# Altium PCB VESC_DEVICE_75100.PcbDoc (part 2 of 3)
Units mm, origin at the board's own origin, x right, y up, seen from the top; angles counter-clockwise.
Board outline 72 x 52 mm, 4 copper layers (TOP, LAYER_1, LAYER_2, BOTTOM), stack 1.578 mm thick; 217 components, 137 nets, 680 pads, 885 vias.
Unrouted connection lines stored in the file: 1.
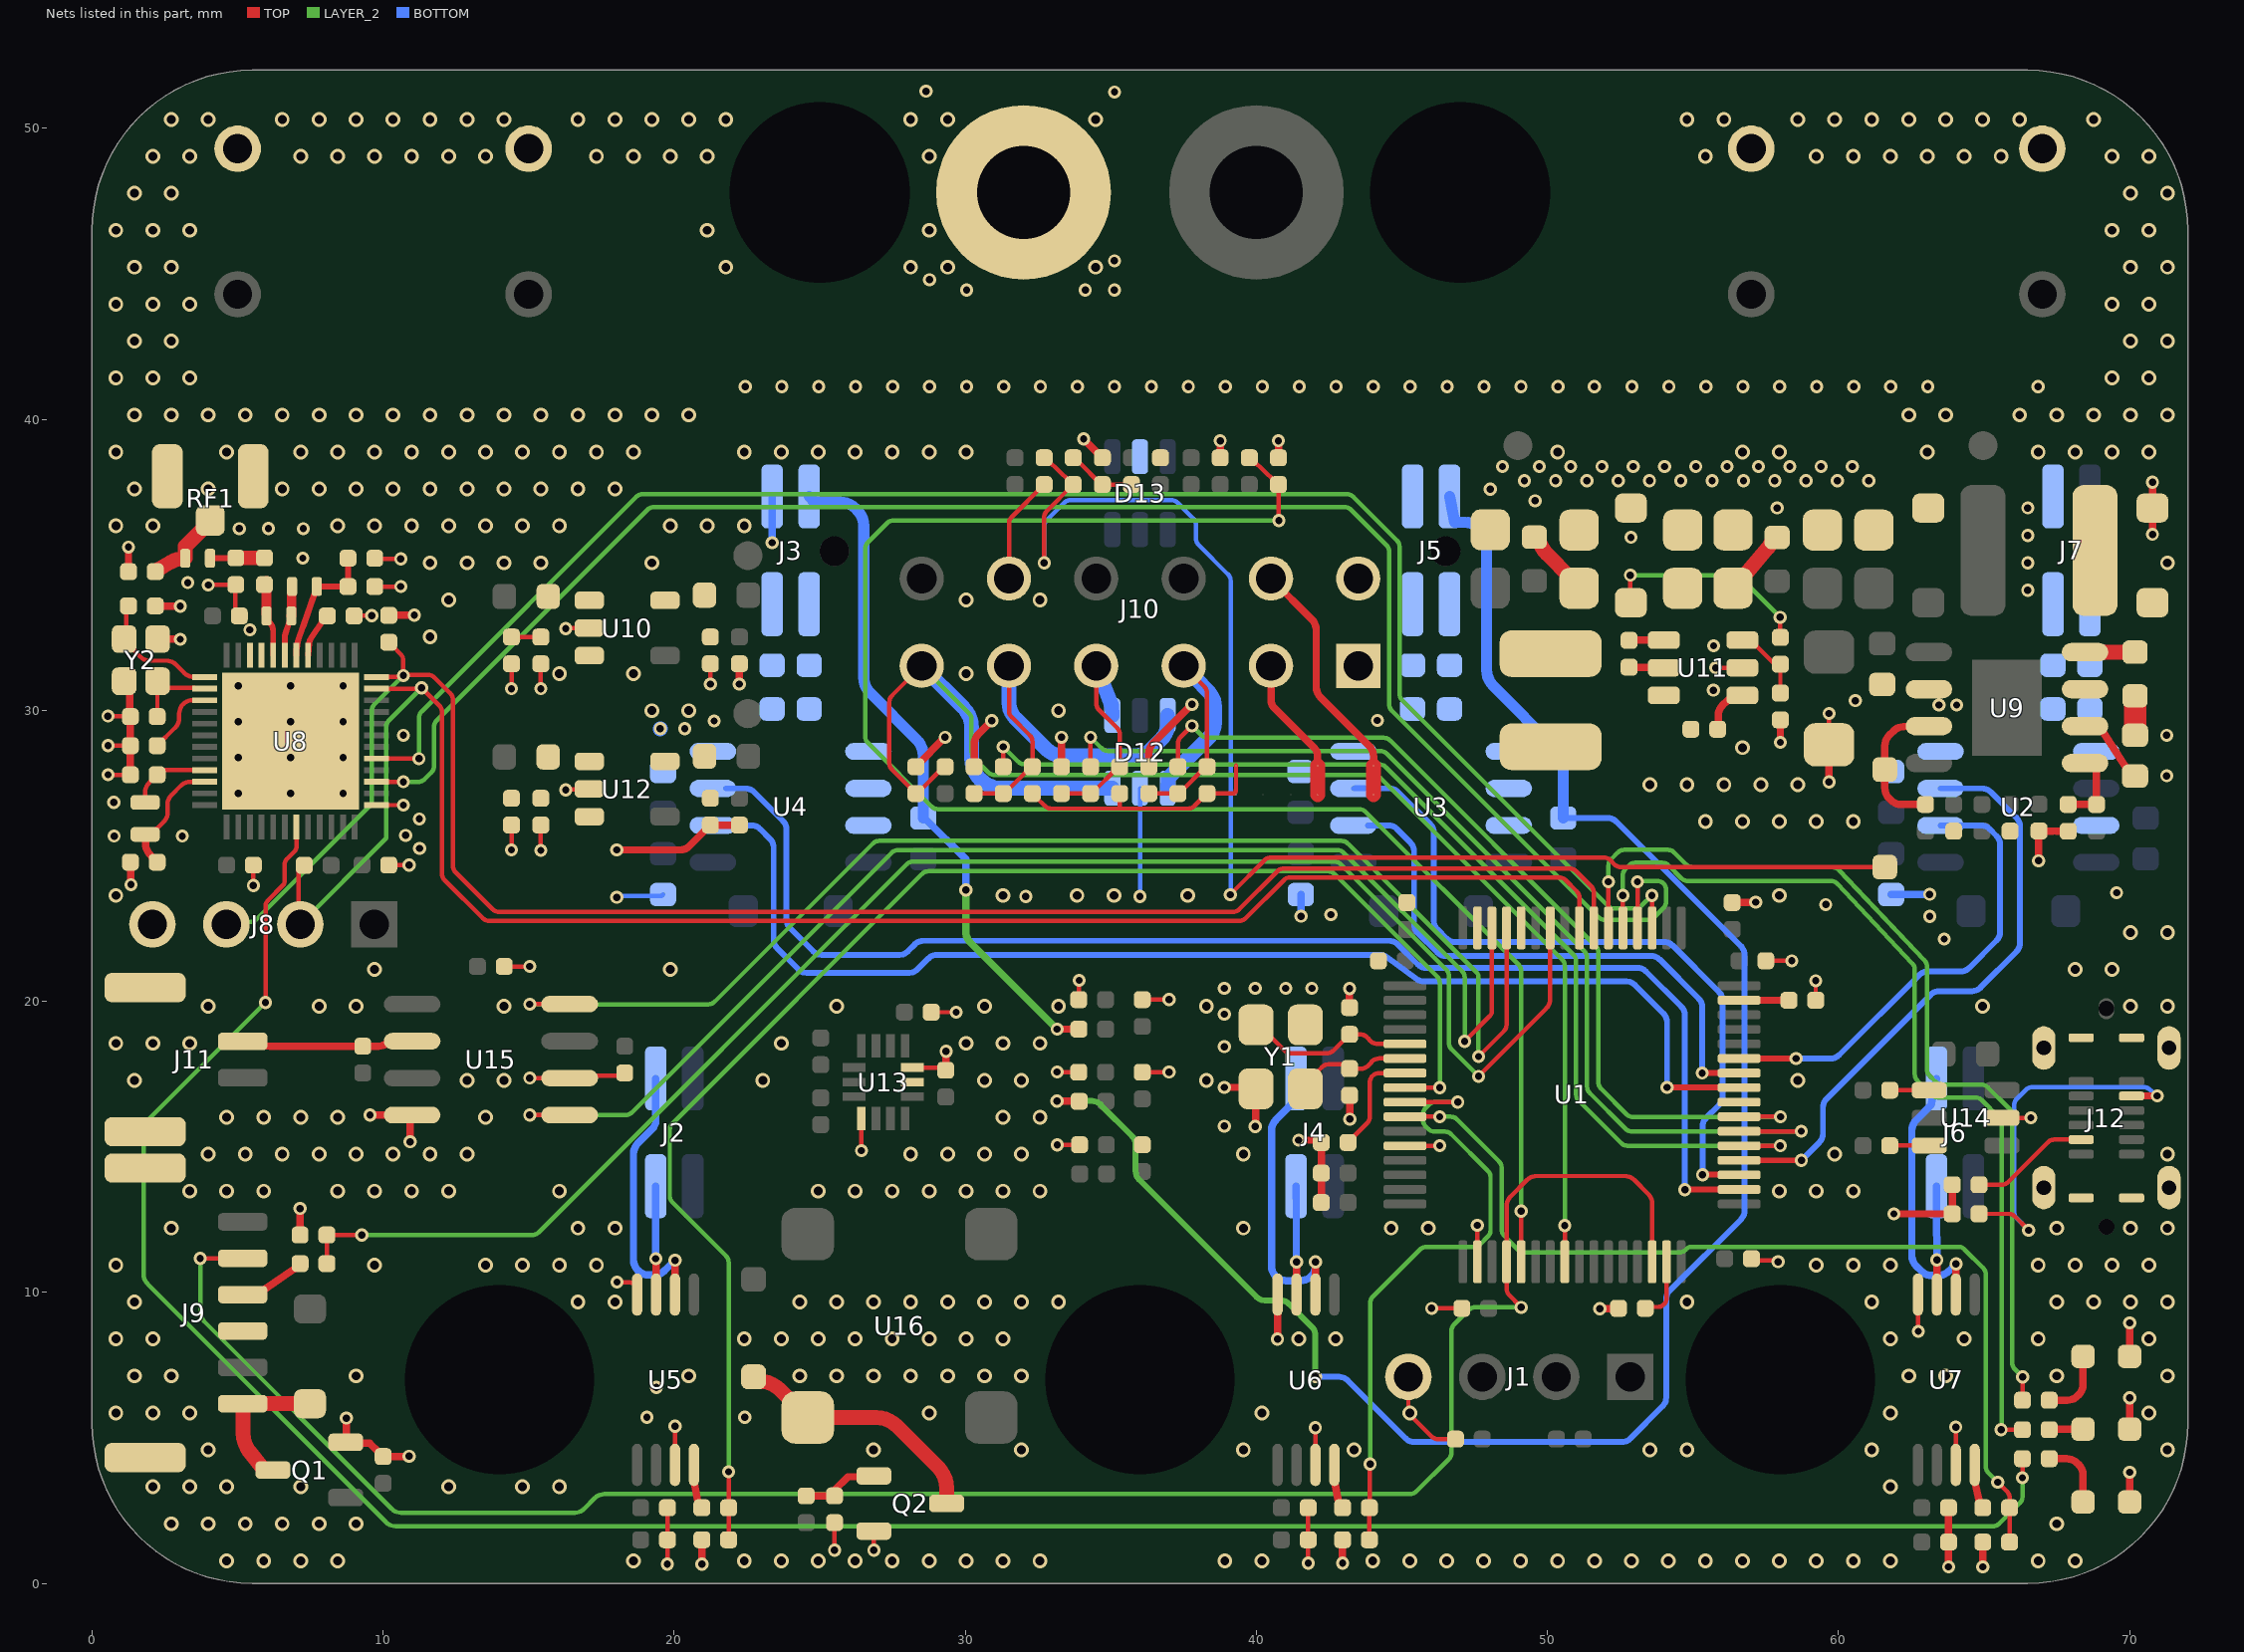
[diagram p4: the nets of this part, all layers, seen from the top]

## Via types
v1: diameter 0.508, hole 0.305, TOP to BOTTOM, tented both sides, 556 vias
v2: diameter 0.45, hole 0.25, TOP to BOTTOM, tented both sides, 325 vias
v3: diameter 0.65, hole 0.45, TOP to BOTTOM, tented both sides, 4 vias

## Nets (pads, with @x,y where several pads share a name; then routed paths per layer and width w, separated by ;. In a path a pad name is that pad's centre, name@x,y a point inside that pad or via, vN(x,y) a via of type N, cw(c..) or ccw(c..) an arc to the next point about the centre after c; other vN are vias at no path point) (continued)
CAN_L: J11.2 R62.2 U15.6 | length 5.9
  TOP w0.254: J11.2@5.175,18.625 5.502,18.475 ccw(c5.596,18.974) 5.59,18.466 6.114,18.46 ccw(c6.12,18.968) 6.118,18.46 R62.2@9.3,18.46 ; R62.2@9.313,18.46 9.833,18.46 ccw(c9.833,18.968) 10.06,18.513 10.304,18.635 U15.6@10.995,18.635
CAN_RX: U1.61 U15.4 | length 45.6
  TOP w0.152: v2(15.036,19.905) U15.4@16.405,19.905 ; v2(47.632,18.106) 48.505,18.979 ccw(c48.289,19.194) 48.594,19.194 U1.61@48.594,22.526
  LAYER_2 w0.152: v2@15.169,19.9 21.172,19.9 ccw(c21.172,20.205) 21.387,19.989 26.825,25.427 cw(c27.04,25.211) 27.04,25.515 42.927,25.515 cw(c42.927,25.211) 43.142,25.426 47.543,21.026 cw(c47.327,20.81) 47.632,20.81 v2(47.632,18.106)
CAN_TX: U1.62 U15.1 | length 45.6
  TOP w0.152: v2(15.036,16.095) U15.1@16.405,16.095 ; v2(47.156,18.63) 48.005,19.478 ccw(c47.789,19.693) 48.094,19.693 U1.62@48.094,22.526
  LAYER_2 w0.152: v2(15.036,16.095) 18.329,16.095 ccw(c18.329,16.4) 18.544,16.184 27.475,25.114 cw(c27.69,24.898) 27.69,25.203 42.778,25.203 cw(c42.778,24.898) 42.993,25.114 47.067,21.04 cw(c46.852,20.824) 47.156,20.826 v2(47.156,18.63)
CLK_NRF: J8.3 R24.2 U1.55 U8.24 | length 63.7
  TOP w0.152: U8.24@9.771,31.146 10.521,31.146 ccw(c10.52,31.45) v2(10.693,31.199) ; R24.2@10.193,32.342 10.332,32.202 10.604,31.93 cw(c10.388,31.715) 10.693,31.715 v2(10.693,31.199) ; U1.55@51.594,22.526 51.594,23.732 ccw(c51.289,23.732) 51.505,23.947 50.973,24.479 ccw(c50.758,24.263) 50.758,24.568 40.942,24.568 ccw(c40.942,24.263) 40.727,24.479 39.406,23.158 cw(c39.192,23.375) 39.192,23.07 13.985,23.07 cw(c13.985,23.375) 13.77,23.158 12.487,24.441 cw(c12.703,24.656) 12.398,24.656 12.398,30.366 ccw(c12.093,30.366) 12.309,30.581 11.753,31.137 ccw(c11.538,30.921) 11.538,31.226 10.817,31.226 ccw(c10.818,30.921) v2(10.693,31.199)
  LAYER_2 w0.152: J8.3@4.613,22.65 4.689,22.726 5.552,22.726 9.611,26.785 9.611,29.991 cw(c9.915,29.991) 9.699,30.206 v2(10.693,31.199)
CURRENT_1: C26.2 R17.1 U1.8 | length 51.5
  TOP w0.152: C26.2@21.869,1.5 21.869,1.639 21.869,2.461 R17.1@21.869,2.6 21.869,2.739 v2(21.869,3.835) ; U1.8@45.106,17.038 v2(46.3,17.038)
  LAYER_2 w0.152: v2(21.869,3.835) 21.869,11.035 ccw(c21.564,11.035) 21.781,11.249 19.938,13.092 cw(c20.153,13.308) 19.849,13.308 19.849,15.592 cw(c20.153,15.592) 19.937,15.807 28.513,24.383 cw(c28.728,24.167) 28.728,24.471 42.464,24.471 cw(c42.464,24.167) 42.68,24.382 46.211,20.851 cw(c45.995,20.635) 46.3,20.635 v2(46.3,17.038)
CURRENT_2: C29.2 R18.1 U1.9 | length 21.9
  TOP w0.152: C29.2@43.88,1.5 43.88,1.639 R18.1@43.88,2.6 43.895,2.739 43.895,4.009 cw(c44.199,4.008) v2(43.909,4.1) ; U1.9@45.106,16.538 v2(46.919,16.538)
  LAYER_2 w0.152: v2(43.909,4.1) 43.909,9.637 cw(c44.214,9.637) 43.998,9.852 45.618,11.473 cw(c45.833,11.256) 45.833,11.561 47.467,11.561 ccw(c47.467,11.866) 47.682,11.65 47.954,11.922 ccw(c47.738,12.137) 48.043,12.137 48.043,13.96 ccw(c47.738,13.96) 47.954,14.175 46.694,15.435 ccw(c46.479,15.219) 46.479,15.524 46.121,15.524 cw(c46.121,15.829) 45.906,15.613 45.815,15.704 cw(c46.031,15.919) 45.726,15.919 45.726,16.124 cw(c46.031,16.124) 45.815,16.339 45.926,16.45 cw(c46.14,16.234) 46.14,16.538 v2(46.919,16.538)
CURRENT_3: C32.2 R19.1 U1.10 | length 33.2
  TOP w0.152: U1.10@45.106,16.038 v2(46.3,16.038) ; v2(65.466,3.481) 65.786,3.16 cw(c65.571,2.945) 65.876,2.945 65.876,2.739 R19.1@65.876,2.6 65.876,1.559 C32.2@65.876,1.42
  LAYER_2 w0.152: v2(46.3,16.038) 46.674,16.038 cw(c46.674,15.734) 46.89,15.949 48.334,14.504 cw(c48.118,14.289) 48.423,14.29 48.423,12.161 ccw(c48.728,12.161) 48.512,11.946 48.995,11.463 ccw(c49.21,11.679) 49.21,11.374 54.52,11.374 ccw(c54.52,11.679) 54.734,11.463 54.752,11.48 cw(c54.967,11.264) 54.967,11.569 64.111,11.569 cw(c64.111,11.264) 64.326,11.48 64.966,10.84 cw(c64.75,10.625) 65.055,10.625 65.055,4.018 ccw(c65.36,4.018) 65.144,3.803 v2(65.466,3.481)
CURRENT_A_OUT: R17.2 U5.8 | length 1.5
  TOP w0.254: U5.8@20.677,4.074 20.677,3.524 20.823,2.739 R17.2@20.949,2.6
CURRENT_B_OUT: R18.2 U6.8 | length 1.5
  TOP w0.254: U6.8@42.677,4.074 42.677,3.524 42.834,2.739 R18.2@42.96,2.6
CURRENT_C_OUT: R19.2 U7.8 | length 1.5
  TOP w0.254: U7.8@64.677,4.074 64.677,3.524 64.857,2.739 R19.2@64.956,2.6
DIO_NRF: J8.2 R23.2 U1.56 U8.23 | length 61.6
  TOP w0.152: J8.2@7.153,22.95 7.096,23.006 7.096,24.481 R23.2@7.29,24.675 ; U8.23@9.771,30.746 11.197,30.746 ccw(c11.196,31.05) v2(11.321,30.772) 11.931,30.162 cw(c11.715,29.947) 12.02,29.947 12.02,24.39 ccw(c12.325,24.39) 12.109,24.175 13.43,22.854 ccw(c13.645,23.07) 13.645,22.765 39.411,22.765 ccw(c39.411,23.07) 39.626,22.854 40.947,24.174 cw(c41.162,23.958) 41.162,24.263 50.399,24.263 cw(c50.399,23.958) 50.614,24.174 51.005,23.784 cw(c50.789,23.569) 51.094,23.569 U1.56@51.094,22.526
  LAYER_2 w0.152: J8.2@7.153,22.65 10.109,25.606 10.109,29.466 cw(c10.338,29.466) 10.176,29.628 v2(11.321,30.772)
GH_A: J3.3 R13.1
GH_B: J5.3 R9.1
GH_C: J7.3 R5.1
GL_A: J3.1 R16.1
GL_B: J5.1 R10.1
GL_C: J7.1 R6.1
GND: C1.1 C2.1 C3.2 C4.1 C5.1 C6.1 C7.1 C8.1 C9.1 C10.1 C11.1 C12.2 C13.2 C14.1 C15.1 C17.1 C18.1 C19.1 C20.1 C22.1 C23.1 C24.1 C26.1 C27.1 C28.1 C29.1 C30.1 C31.1 C32.1 C33.1 C34.1 C35.1 C36.2 C37.2 C38.2 C39.2 C40.2 C41.2 C42.2 C43.2 C44.2 C45.1 C46.1 C48.1 C49.1 C50.1 C51.1 C52.1 C53.1 C55.2 C56.2 C57.2 C58.2 C59.2 C60.2 C61.2 C62.2 C63.2 C65.2 C66.2 C67.2 C68.2 C69.2 C70.2 C71.2 C72.2 C73.2 C74.2 C75.2 C76.1 C77.2 C78.2 C79.2 C80.1 C81.1 C82.1 C83.2 D1.1 D2.1 D6.1 D7.2 D8.2 D10.2 D12.2 D13.2 J1.4 J3.4 J5.4 J7.4 J8.4 J9.3 J9.7 J9.8 J10.1 J10.7 J11.3 J11.4 J12.A1 J12.A2 J12.A10 J12.A12 J12.B1 J12.B2 J12.B10 J12.B12 Q1.2 Q2.2 R3.2 R8.1 R12.1 R15.1 R21.1 R24.1 R26.1 R32.1 R34.1 R39.1 R59.2 R64.2 R65.2 R67.1 RF1.2 RF1.3 TP2.1 U1.12 U1.18 U1.60 U1.63 U2.4 U3.4 U4.4 U5.4 U5.7 U6.4 U6.7 U7.4 U7.7 U8.13 U8.33 U8.34 U8.49 U9.2 U10.2 U11.2 U12.2 U13.1 U13.6 U13.7 U14.2 U15.2 U15.8 Y1.2 Y1.4 Y2.2 Y2.4 | length 114.4
  TOP w0.152: v2(0.544,29.803) ccw(c0.612,30.1) 0.612,29.795 1.177,29.795 C41.2@1.316,29.788 ; v2(0.552,27.788) 1.177,27.788 C42.2@1.316,27.788 ; v2(0.552,28.788) ccw(c0.562,29.093) 0.562,28.788 1.177,28.788 C43.2@1.316,28.788 ; v2(3.994,34.31) cw(c4.051,34.01) 4.051,34.315 4.798,34.315 C48.1@4.853,34.332 ; C48.1@4.917,34.181 4.917,33.507 ccw(c5.222,33.507) 4.917,33.502 4.92,33.385 C45.1@4.92,33.464 ; v2(5.541,23.983) C46.1@5.541,24.684 ; C50.1@9.001,33.246 9.14,33.251 9.557,33.251 ccw(c9.555,33.555) v2(9.611,33.256) ; C53.1@9.711,34.256 v2(10.604,34.255) ; C52.1@9.711,35.358 9.85,35.218 9.968,35.212 ccw(c9.983,35.517) 9.981,35.212 v2(10.604,35.208) ; U8.13@9.771,26.746 v2(10.693,26.746) ; C51.1@10.191,24.684 v2(10.89,24.684) ; C83.2@14.16,21.2 v2(15.036,21.2) ; v2(14.409,25.206) cw(c14.713,25.216) 14.409,25.215 14.409,25.921 C69.2@14.409,26.06 ; v2(14.409,30.746) cw(c14.713,30.752) 14.409,30.752 14.409,31.462 C60.2@14.409,31.597 ; v2(15.036,17.365) U15.2@16.405,17.365 cw(c16.611,17.14) 16.611,17.445 18.161,17.445 C82.1@18.3,17.54 ; v2(15.416,25.187) C70.2@15.416,26.06 ; v2(15.415,30.746) ccw(c15.111,30.753) 15.415,30.753 C59.2@15.415,31.55 ; v2(16.273,27.27) cw(c16.367,26.98) 16.367,27.285 16.732,27.285 U12.2@17.082,27.3 ; v2(16.274,32.811) cw(c16.349,32.516) 16.349,32.821 16.732,32.821 U10.2@16.897,32.83 ; v2(18.033,10.354) 18.422,10.354 cw(c18.422,10.049) 18.527,10.335 18.727,10.261 U5.4@18.727,9.926 ; v2(19.763,0.663) ccw(c19.46,0.698) 19.765,0.698 19.765,1.361 C34.1@19.767,1.5 C30.1@19.767,2.6 ; U5.7@20.027,4.074 v2(20.027,5.4) ; v2(21.24,30.9) C61.2@21.24,31.601 ; v2(25.507,1.142) R67.1@25.507,2.088 ; v2(26.429,14.875) U13.1@26.429,16.075 ; v2(26.857,1.142) Q2.2@26.857,1.798 ; U13.7@28.079,17.725 29.02,17.725 cw(c29.019,17.421) 29.122,17.707 29.186,17.685 C74.2@29.225,17.645 ; C73.2@28.831,19.628 v2(29.683,19.628) ; v2(33.155,17.575) 33.159,17.571 33.893,17.571 R12.1@33.897,17.567 ; v2(33.159,15.07) 33.161,15.072 33.923,15.072 R15.1@33.925,15.074 ; R8.1@33.897,20.06 33.903,20.066 33.903,20.716 v2(33.909,20.722) ; C20.1@36.08,17.567 36.082,17.569 36.998,17.569 v2(37,17.572) ; C17.1@36.08,20.06 36.083,20.063 36.997,20.063 v2(37,20.066) ; v2(41.779,0.7) C27.1@41.779,2.6 ; U6.7@42.027,4.074 v2(42.027,5.349) ; U1.12@45.106,15.038 45.767,15.041 46.284,15.042 ccw(c46.283,15.347) v2(46.3,15.043) ; J1.4@45.22,7.1 45.22,5.979 ccw(c45.525,5.979) 45.309,5.764 46.025,5.048 ccw(c46.24,5.264) 46.24,4.959 R3.2@46.84,4.959 ; v2(46.02,9.453) C6.1@47.06,9.453 ; v2(47.589,12.303) 47.589,12.302 cw(c47.287,12.267) 47.591,12.267 47.591,11.712 U1.18@47.594,11.05 ; v2(55.773,31.464) cw(c55.789,31.16) 55.789,31.464 56.294,31.464 U11.2@56.594,31.465 ; C11.1@57.008,11.161 57.148,11.107 57.75,11.107 cw(c57.749,10.802) v2(57.922,11.053) ; C10.1@57.502,21.395 v2(58.395,21.395) ; C13.2@59.215,20.038 59.216,20.178 v2(59.216,20.711) ; v2(59.674,29.897) 59.674,29.418 C55.2@60.274,28.818 ; U7.4@62.727,9.926 cw(c62.433,9.842) 62.738,9.842 v2(62.738,8.662) ; U7.7@64.027,4.074 v2(64.027,5.373) ; U14.2@65.618,16 66.081,16 v2(66.609,16)
  TOP w0.254: Y2.4@1.101,31.003 1.3,30.74 1.3,29.927 C41.2@1.316,29.788 C43.2@1.316,28.788 C42.2@1.316,27.788 ; C49.1@1.25,34.767 v2(1.25,35.612) ; C44.2@1.316,24.784 1.327,24.644 1.327,24.118 ccw(c1.835,24.12) v2(1.338,24.014) ; C40.2@2.171,33.588 2.31,33.585 2.98,33.585 cw(c2.978,33.077) v2(3.027,33.583) ; Y2.2@2.251,32.453 2.463,32.447 2.954,32.447 cw(c2.952,31.939) v2(3.027,32.442) ; C76.1@7.144,11.975 7.145,12.114 7.145,12.856 cw(c7.653,12.854) v2(7.146,12.883) ; v2(8.734,5.681) 8.734,4.998 Q1.2@8.713,4.848 9.163,4.827 9.533,4.827 9.861,4.499 R59.2@10,4.36 10.139,4.366 10.819,4.366 ccw(c10.817,4.874) v2(10.892,4.371) ; v2(9.546,16.095) U15.8@10.995,16.095 ccw(c11.433,15.838) 10.925,15.839 v2(10.925,15.175) ; R24.1@10.193,33.262 10.332,33.266 11.007,33.266 ccw(c11.005,33.774) v2(11.072,33.27) ; v2(18.023,25.206) 20.229,25.206 ccw(c20.229,25.587) 20.498,25.318 C71.2@21.24,26.06 C72.2@22.239,26.06 ; v2(20.949,0.665) 20.949,1.361 C26.1@20.949,1.5 ; v2(22.232,30.9) cw(c22.74,30.903) 22.232,30.903 C62.2@22.232,31.599 ; C75.2@28.304,28.065 28.304,28.078 v2(29.304,29.078) ; C74.2@29.325,17.635 29.331,17.775 29.331,18.208 cw(c29.839,18.206) v2(29.337,18.286) ; C79.2@30.304,28.065 30.304,28.83 cw(c30.812,28.83) 30.452,29.188 v2(30.907,29.643) ; C78.2@33.304,28.065 v2(33.304,29.076) ; v2(34.066,39.329) ccw(c34.455,39.655) 34.095,39.297 34.572,38.82 R34.1@34.708,38.681 ; C77.2@36.304,28.065 36.304,28.515 cw(c36.812,28.515) 36.452,28.874 v2(37.785,30.207) ; C80.1@38.756,38.681 38.757,38.82 38.757,39.233 cw(c39.265,39.231) v2(38.759,39.265) ; v2(38.9,17.045) 39.936,17.045 Y1.2@39.986,16.995 39.973,16.983 39.973,15.715 v2(39.961,15.702) ; v2(40.727,8.394) U6.4@40.727,9.926 ; C81.1@40.756,38.681 v2(40.756,39.265) ; v2(41.453,15.232) 42.092,15.232 C3.2@42.231,15.15 C9.1@42.231,13.087 ; v2(42.96,0.7) C29.1@42.96,1.5 ; C1.1@43.061,19.928 43.178,19.928 43.2,19.95 v2(43.2,20.443) ; C2.1@43.157,16.769 43.205,16.63 43.205,16.026 ccw(c43.713,16.028) v2(43.21,15.955) ; v2(51.798,9.441) 51.803,9.447 52.434,9.447 C12.2@52.44,9.453 ; C5.1@56.347,23.396 56.487,23.401 57.082,23.401 ccw(c57.081,23.909) v2(57.155,23.407) ; v2(58.001,28.904) R39.1@58.001,29.675 ; v2(59.674,27.541) C55.2@59.674,28.818 ; v2(61.899,12.7) R65.2@63.908,12.7 R64.2@63.908,13.7 ; v2(63.779,0.572) 63.779,1.281 C33.1@63.779,2.6 ; v2(64.956,0.572) 64.956,1.281 C32.1@64.956,1.42 ; v2(66.872,24.833) 66.878,24.839 66.878,25.849 C35.1@66.885,25.855 ; C35.1@66.885,25.855 67.345,25.853 67.485,25.855 ; 67.485,25.852 67.752,25.852 R32.1@67.892,25.848 ; D6.1@70,2.655 70,3.819 cw(c70.508,3.817) v2(70,3.822) ; D1.1@70,5.139 v2(70,6.38) ; D2.1@70,7.8 70,8 70,8.949 cw(c70.508,8.948) v2(70,8.953) ; v2(70.786,36.048) v2(70.786,37.84)
  BOTTOM w0.152: v2(18.023,23.577) 18.07,23.624 19.568,23.624 C22.1@19.615,23.671 ; v2(32.076,23.605) v2@32.084,23.612 ; v2(36,23.605) D12.2@36,27.325
  BOTTOM w0.254: v2(23.365,35.765) J3.4@23.365,37.35 ; C19.1@41.528,23.671 41.53,23.669 41.53,22.928 v2(41.532,22.926) ; C15.1@61.808,23.671 61.816,23.678 v2(63.13,23.678) ; v2@69.549,23.674 cw(c70.057,23.673) v2(69.553,23.735)
  BOTTOM w0.508: v2@19.515,29.369 v2(19.518,29.372)
  other v1: 4.626,0.779 5.896,0.779 7.166,0.779 8.436,0.779 18.596,0.779 22.406,0.779 23.676,0.779 24.946,0.779 26.216,0.779 27.486,0.779 28.756,0.779 30.026,0.779 31.296,0.779 32.566,0.779 38.916,0.779 40.186,0.779 43.996,0.779 45.266,0.779 46.536,0.779 47.806,0.779 49.076,0.779 50.346,0.779 51.616,0.779 52.886,0.779 54.156,0.779 55.426,0.779 56.696,0.779 57.966,0.779 59.236,0.779 60.506,0.779 61.776,0.779 66.856,0.779 68.126,0.779 2.721,2.049 3.991,2.049 5.261,2.049 6.531,2.049 7.801,2.049 9.071,2.049 67.491,2.049 2.086,3.319 3.356,3.319 4.626,3.319 7.166,3.319 12.246,3.319 14.786,3.319 16.056,3.319 61.776,3.319 3.991,4.589 26.851,4.589 31.931,4.589 39.551,4.589 43.361,4.589 53.521,4.589 54.791,4.589 61.141,4.589 71.301,4.589 0.816,5.859 2.086,5.859 3.356,5.859 28.756,5.859 40.186,5.859 45.266,5.859 61.776,5.859 70.666,5.859 1.451,7.129 2.721,7.129 9.071,7.129 20.501,7.129 24.311,7.129 25.581,7.129 26.851,7.129 28.121,7.129 29.391,7.129 30.661,7.129 31.931,7.129 62.411,7.129 63.681,7.129 67.491,7.129 71.301,7.129 0.816,8.399 2.086,8.399 22.406,8.399 23.676,8.399 24.946,8.399 26.216,8.399 27.486,8.399 28.756,8.399 30.026,8.399 31.296,8.399 41.456,8.399 42.726,8.399 61.776,8.399 64.316,8.399 66.856,8.399 70.666,8.399 1.451,9.669 16.691,9.669 17.961,9.669 24.311,9.669 25.581,9.669 26.851,9.669 28.121,9.669 29.391,9.669 30.661,9.669 31.931,9.669 33.201,9.669 54.791,9.669 61.141,9.669 67.491,9.669 68.761,9.669 70.031,9.669 71.301,9.669 0.816,10.939 9.706,10.939 13.516,10.939 14.786,10.939 16.056,10.939 17.326,10.939 59.236,10.939 60.506,10.939 61.776,10.939 66.856,10.939 68.126,10.939 69.396,10.939 70.666,10.939 2.721,12.209 16.691,12.209 17.961,12.209 39.551,12.209 44.631,12.209 45.901,12.209 67.491,12.209 70.031,12.209 71.301,12.209 3.356,13.479 4.626,13.479 5.896,13.479 8.436,13.479 9.706,13.479 10.976,13.479 12.246,13.479 16.056,13.479 24.946,13.479 26.216,13.479 27.486,13.479 28.756,13.479 30.026,13.479 31.296,13.479 32.566,13.479 57.966,13.479 59.236,13.479 60.506,13.479 3.991,14.749 5.261,14.749 6.531,14.749 7.801,14.749 9.071,14.749 10.341,14.749 11.611,14.749 12.881,14.749 28.121,14.749 29.391,14.749 30.661,14.749 31.931,14.749 39.551,14.749 59.871,14.749 71.301,14.749 4.626,16.019 5.896,16.019 7.166,16.019 8.436,16.019 13.516,16.019 31.296,16.019 32.566,16.019 1.451,17.289 12.881,17.289 14.151,17.289 23.041,17.289 30.661,17.289 31.931,17.289 38.281,17.289 58.601,17.289 0.816,18.559 2.086,18.559 3.356,18.559 23.676,18.559 30.026,18.559 31.296,18.559 32.566,18.559 3.991,19.829 7.801,19.829 9.071,19.829 14.151,19.829 25.581,19.829 30.661,19.829 33.201,19.829 38.281,19.829 64.951,19.829 70.031,19.829 71.301,19.829 9.706,21.099 19.866,21.099 68.126,21.099 69.396,21.099 70.031,22.369 71.301,22.369 0.816,23.639 31.296,23.639 33.836,23.639 35.106,23.639 37.646,23.639 57.966,23.639 55.426,26.179 56.696,26.179 57.966,26.179 59.236,26.179 60.506,26.179 53.521,27.449 54.791,27.449 56.061,27.449 57.331,27.449 58.601,27.449 56.696,28.719 19.231,29.989 20.501,29.989 33.201,29.989 16.056,31.259 18.596,31.259 30.026,31.259 11.611,32.529 12.246,33.799 30.026,33.799 32.566,33.799 11.611,35.069 12.881,35.069 14.151,35.069 15.421,35.069 19.231,35.069 71.301,35.069 0.816,36.339 2.086,36.339 8.436,36.339 9.706,36.339 10.976,36.339 12.246,36.339 13.516,36.339 14.786,36.339 16.056,36.339 19.866,36.339 21.136,36.339 22.406,36.339 1.451,37.609 3.991,37.609 6.531,37.609 7.801,37.609 9.071,37.609 10.341,37.609 11.611,37.609 12.881,37.609 14.151,37.609 15.421,37.609 16.691,37.609 17.961,37.609 0.816,38.879 4.626,38.879 7.166,38.879 8.436,38.879 9.706,38.879 10.976,38.879 12.246,38.879 13.516,38.879 14.786,38.879 16.056,38.879 17.326,38.879 18.596,38.879 22.406,38.879 23.676,38.879 24.946,38.879 26.216,38.879 27.486,38.879 28.756,38.879 30.026,38.879 50.346,38.879 56.696,38.879 57.966,38.879 63.046,38.879 66.856,38.879 68.126,38.879 69.396,38.879 70.666,38.879 1.451,40.149 2.721,40.149 3.991,40.149 5.261,40.149 6.531,40.149 7.801,40.149 9.071,40.149 10.341,40.149 11.611,40.149 12.881,40.149 14.151,40.149 15.421,40.149 16.691,40.149 17.961,40.149 19.231,40.149 20.501,40.149 62.411,40.149 63.681,40.149 66.221,40.149 67.491,40.149 68.761,40.149 70.031,40.149 71.301,40.149 0.816,41.419 2.086,41.419 3.356,41.419 69.396,41.419 70.666,41.419 1.451,42.689 2.721,42.689 70.031,42.689 71.301,42.689 0.816,43.959 2.086,43.959 3.356,43.959 69.396,43.959 70.666,43.959 1.451,45.229 2.721,45.229 21.771,45.229 28.121,45.229 29.391,45.229 34.471,45.229 70.031,45.229 71.301,45.229 0.816,46.499 2.086,46.499 3.356,46.499 21.136,46.499 28.756,46.499 69.396,46.499 70.666,46.499 1.451,47.769 2.721,47.769 70.031,47.769 71.301,47.769 2.086,49.039 3.356,49.039 7.166,49.039 8.436,49.039 9.706,49.039 10.976,49.039 12.246,49.039 13.516,49.039 17.326,49.039 18.596,49.039 19.866,49.039 21.136,49.039 28.756,49.039 55.426,49.039 59.236,49.039 60.506,49.039 61.776,49.039 63.046,49.039 64.316,49.039 65.586,49.039 69.396,49.039 70.666,49.039 2.721,50.309 3.991,50.309 6.531,50.309 7.801,50.309 9.071,50.309 10.341,50.309 11.611,50.309 12.881,50.309 14.151,50.309 16.691,50.309 17.961,50.309 19.231,50.309 20.501,50.309 21.771,50.309 28.121,50.309 29.391,50.309 34.471,50.309 54.791,50.309 56.061,50.309 58.601,50.309 59.871,50.309 61.141,50.309 62.411,50.309 63.681,50.309 64.951,50.309 66.221,50.309 68.761,50.309
  other v2: 19.059,5.713 22.422,5.713 19.387,6.736 38.9,15.715 38.9,18.444 38.9,19.563 38.9,20.448 39.961,20.448 41.006,20.448 41.905,20.448 63.629,22.146 63.131,22.922 42.56,22.984 59.563,23.329 11.252,25.257 0.76,25.681 3.099,25.681 10.77,25.707 11.245,26.27 0.746,26.838 5.021,27.146 6.821,27.146 8.621,27.146 71.274,27.75 5.021,28.379 6.821,28.379 8.621,28.379 10.693,29.146 71.274,29.145 20.359,29.372 5.021,29.612 6.821,29.612 8.621,29.612 21.372,29.637 44.155,29.656 63.451,30.185 64.06,30.185 60.574,30.333 55.7,30.694 5.021,30.846 6.821,30.846 8.621,30.846 55.708,32.218 5.421,32.766 66.5,34.126 3.289,34.39 66.5,35.069 7.239,35.233 52.869,35.947 66.5,36.012 5.056,36.246 6.06,36.25 7.256,36.246 57.891,36.955 66.5,36.955 49.577,37.205 48.035,37.603 49.204,37.894 50.279,37.894 51.355,37.894 52.43,37.894 53.506,37.894 54.582,37.894 55.657,37.894 56.733,37.894 57.808,37.894 58.884,37.894 59.96,37.894 61.035,37.894 48.457,38.381 49.719,38.381 50.795,38.381 51.87,38.381 52.946,38.381 54.022,38.381 55.097,38.381 56.173,38.381 57.248,38.381 58.324,38.381 59.399,38.381 60.475,38.381 22.442,41.125 23.692,41.125 24.962,41.125 26.232,41.125 27.502,41.125 28.772,41.125 30.042,41.125 31.319,41.125 32.582,41.125 33.852,41.125 35.122,41.125 36.392,41.125 37.662,41.125 38.932,41.125 40.202,41.125 41.472,41.125 42.735,41.125 44.012,41.125 45.282,41.125 46.552,41.125 47.822,41.125 49.092,41.125 50.362,41.125 51.612,41.125 52.902,41.125 54.172,41.125 55.442,41.125 56.712,41.125 57.975,41.125 59.252,41.125 60.522,41.125 61.792,41.125 63.062,41.125 66.852,41.125 30.042,44.446 34.121,44.446 35.122,44.446 28.772,44.8 35.122,45.45 35.125,51.25 28.65,51.275